# Altium PCB Core429IBaseBoardVerE.PcbDoc (part 1 of 2)
Units mil, origin at the board's own origin, x right, y up, seen from the top; angles counter-clockwise.
Board outline 5194.49 x 4255.91 mil, 4 copper layers (L1, L2, L3, L4), stack 64.4 mil thick; 137 components, 207 nets, 652 pads, 249 vias.
Unrouted connection lines stored in the file: 10.
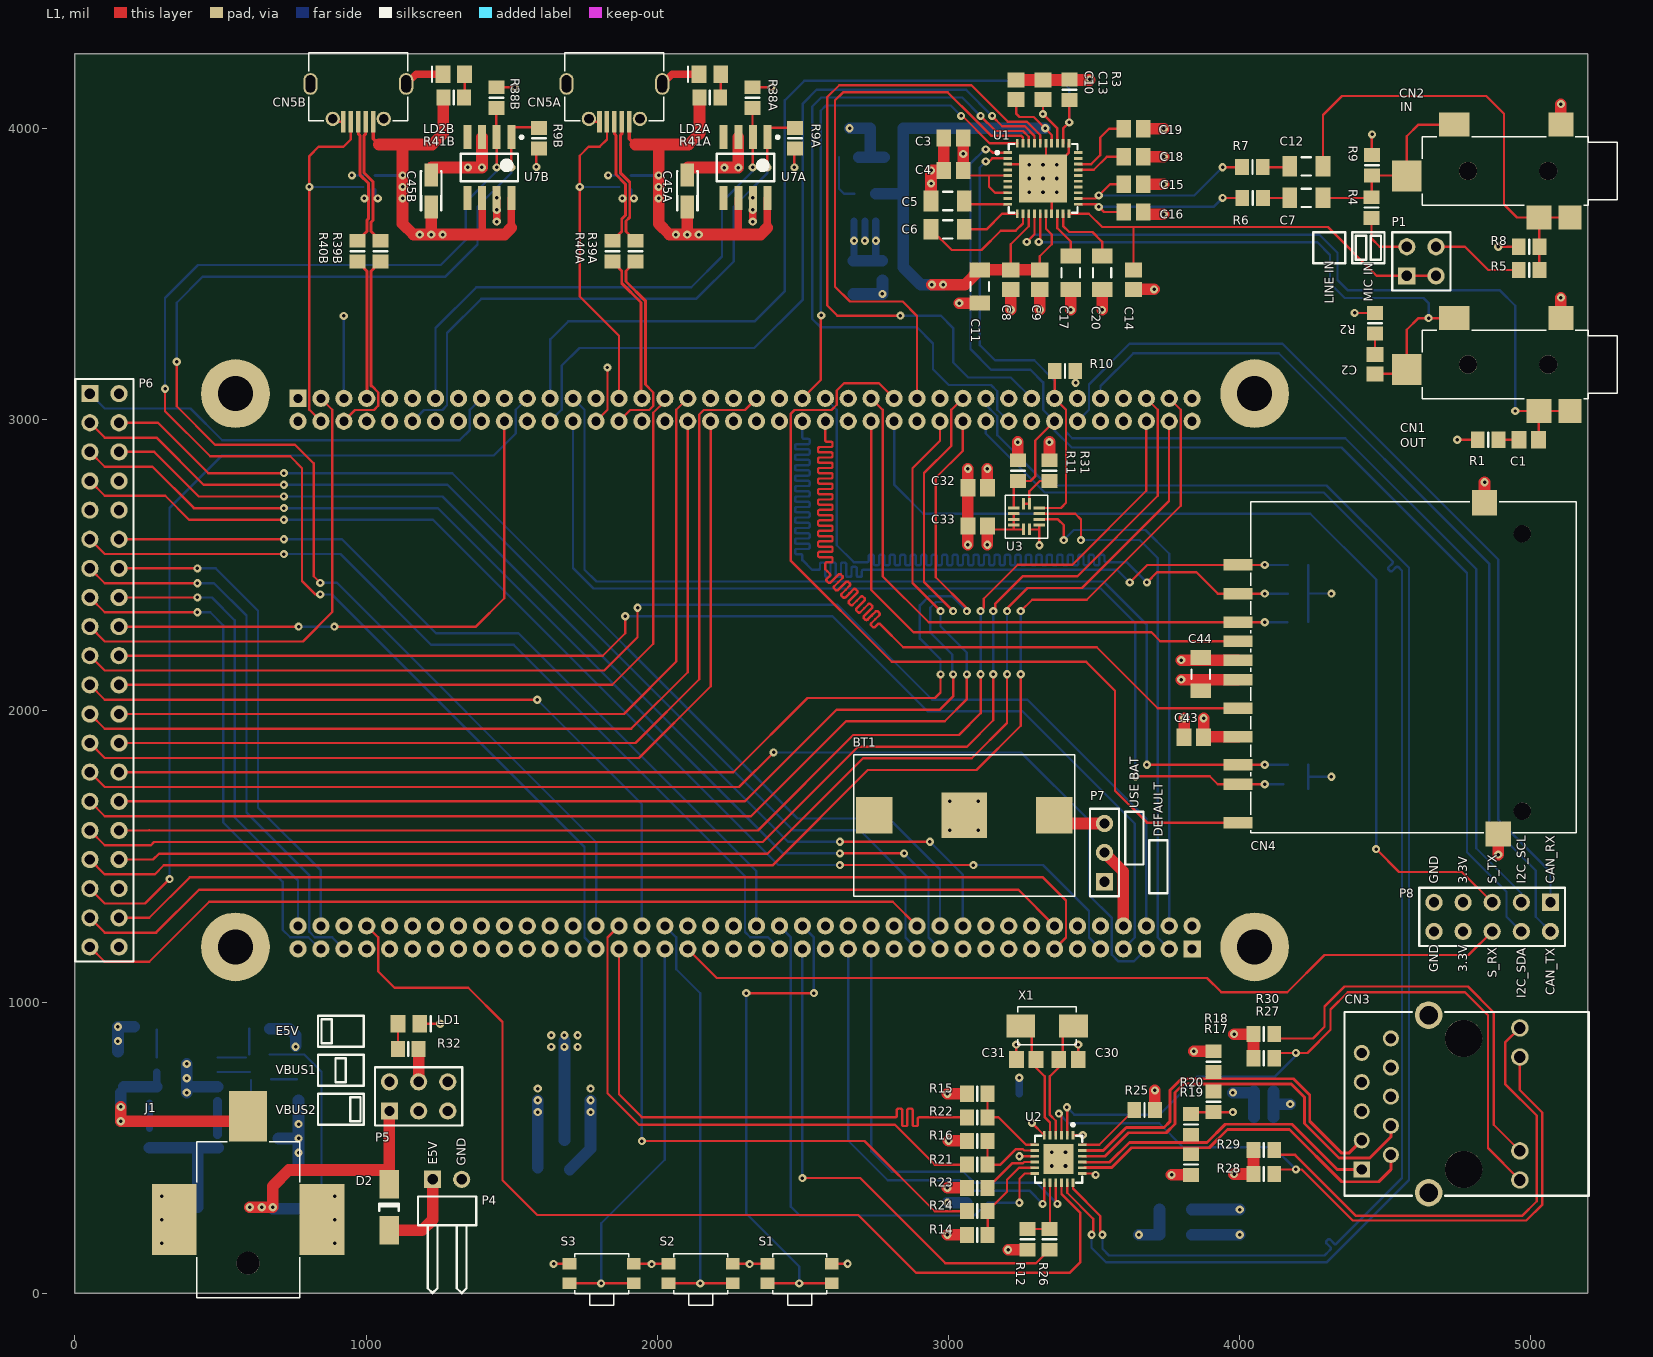
[diagram p0: L1 view]
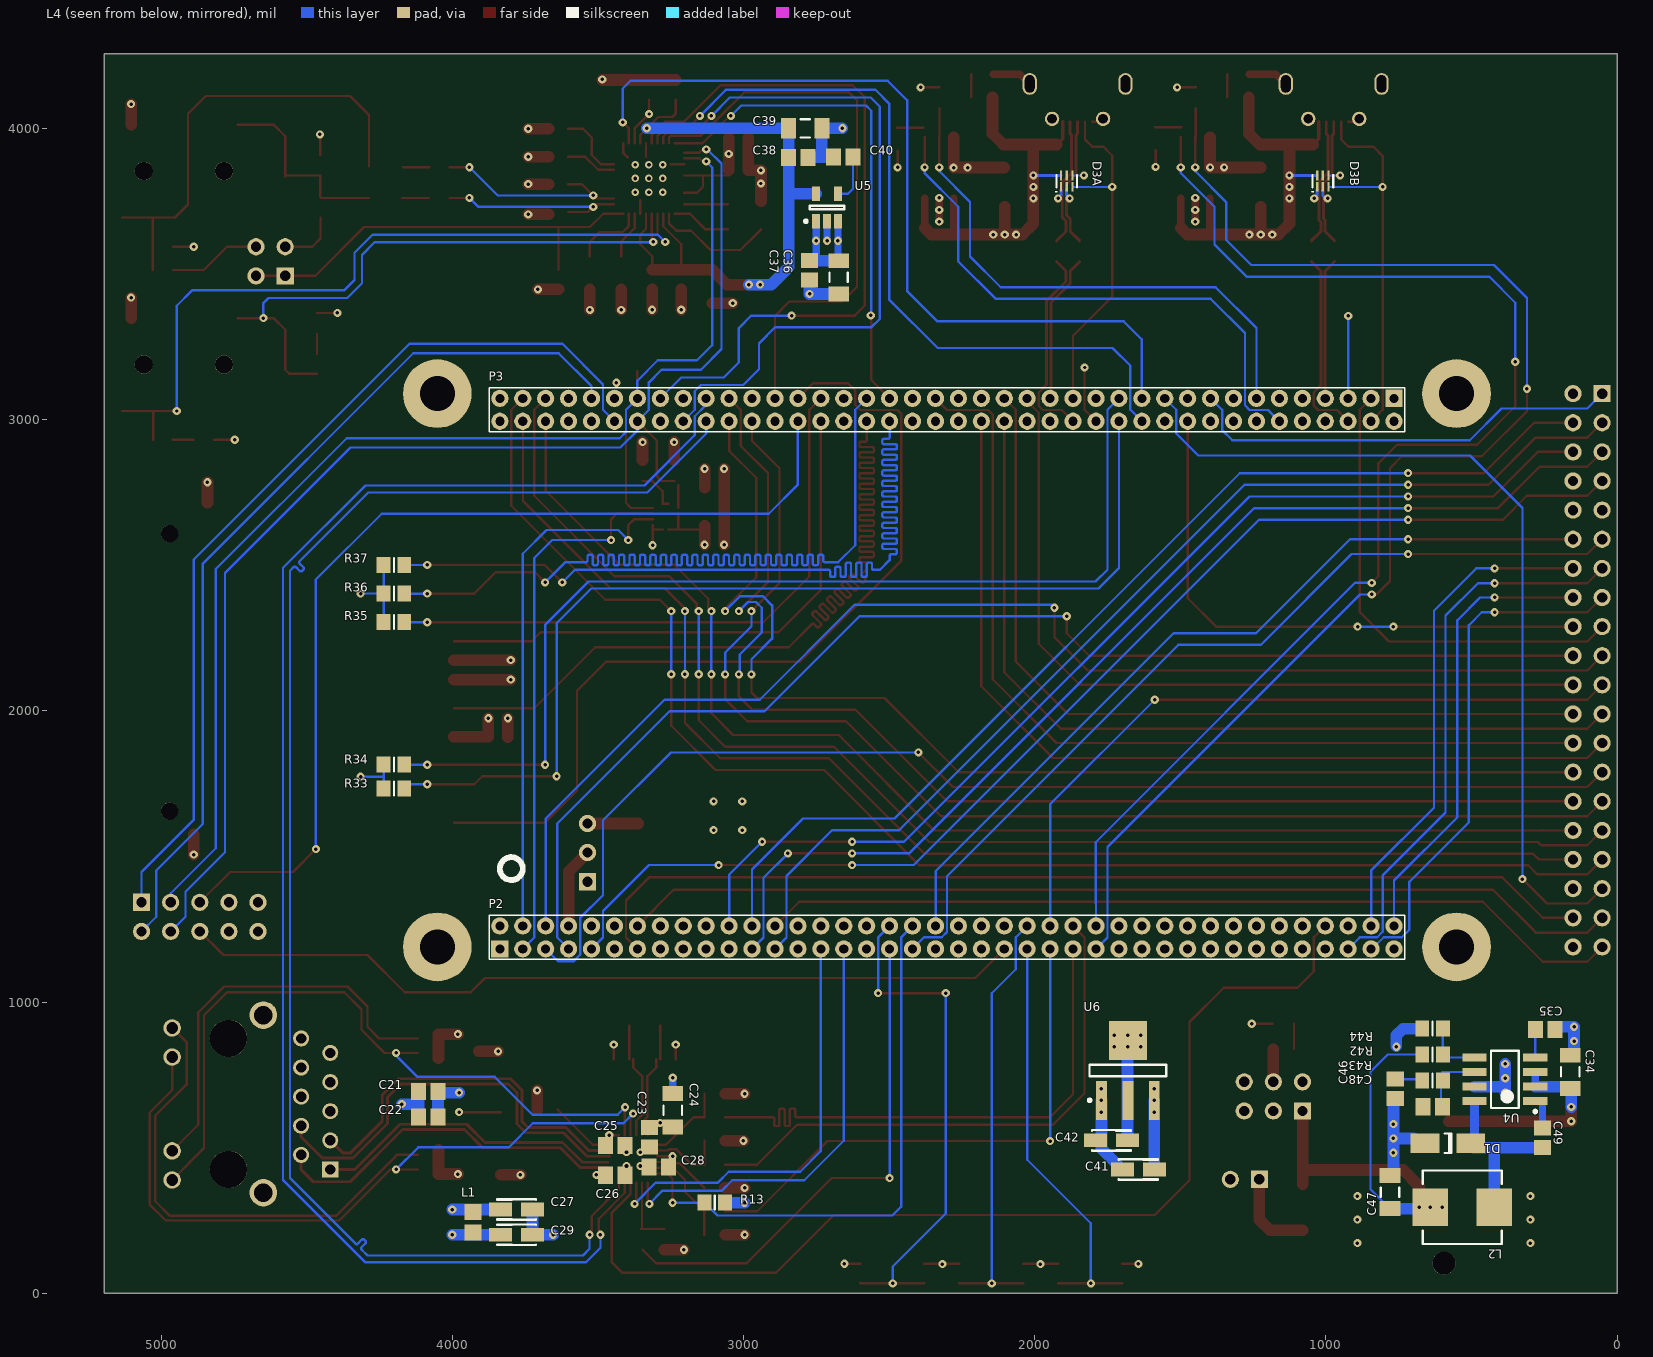
[diagram p1: L4 view, seen from below]
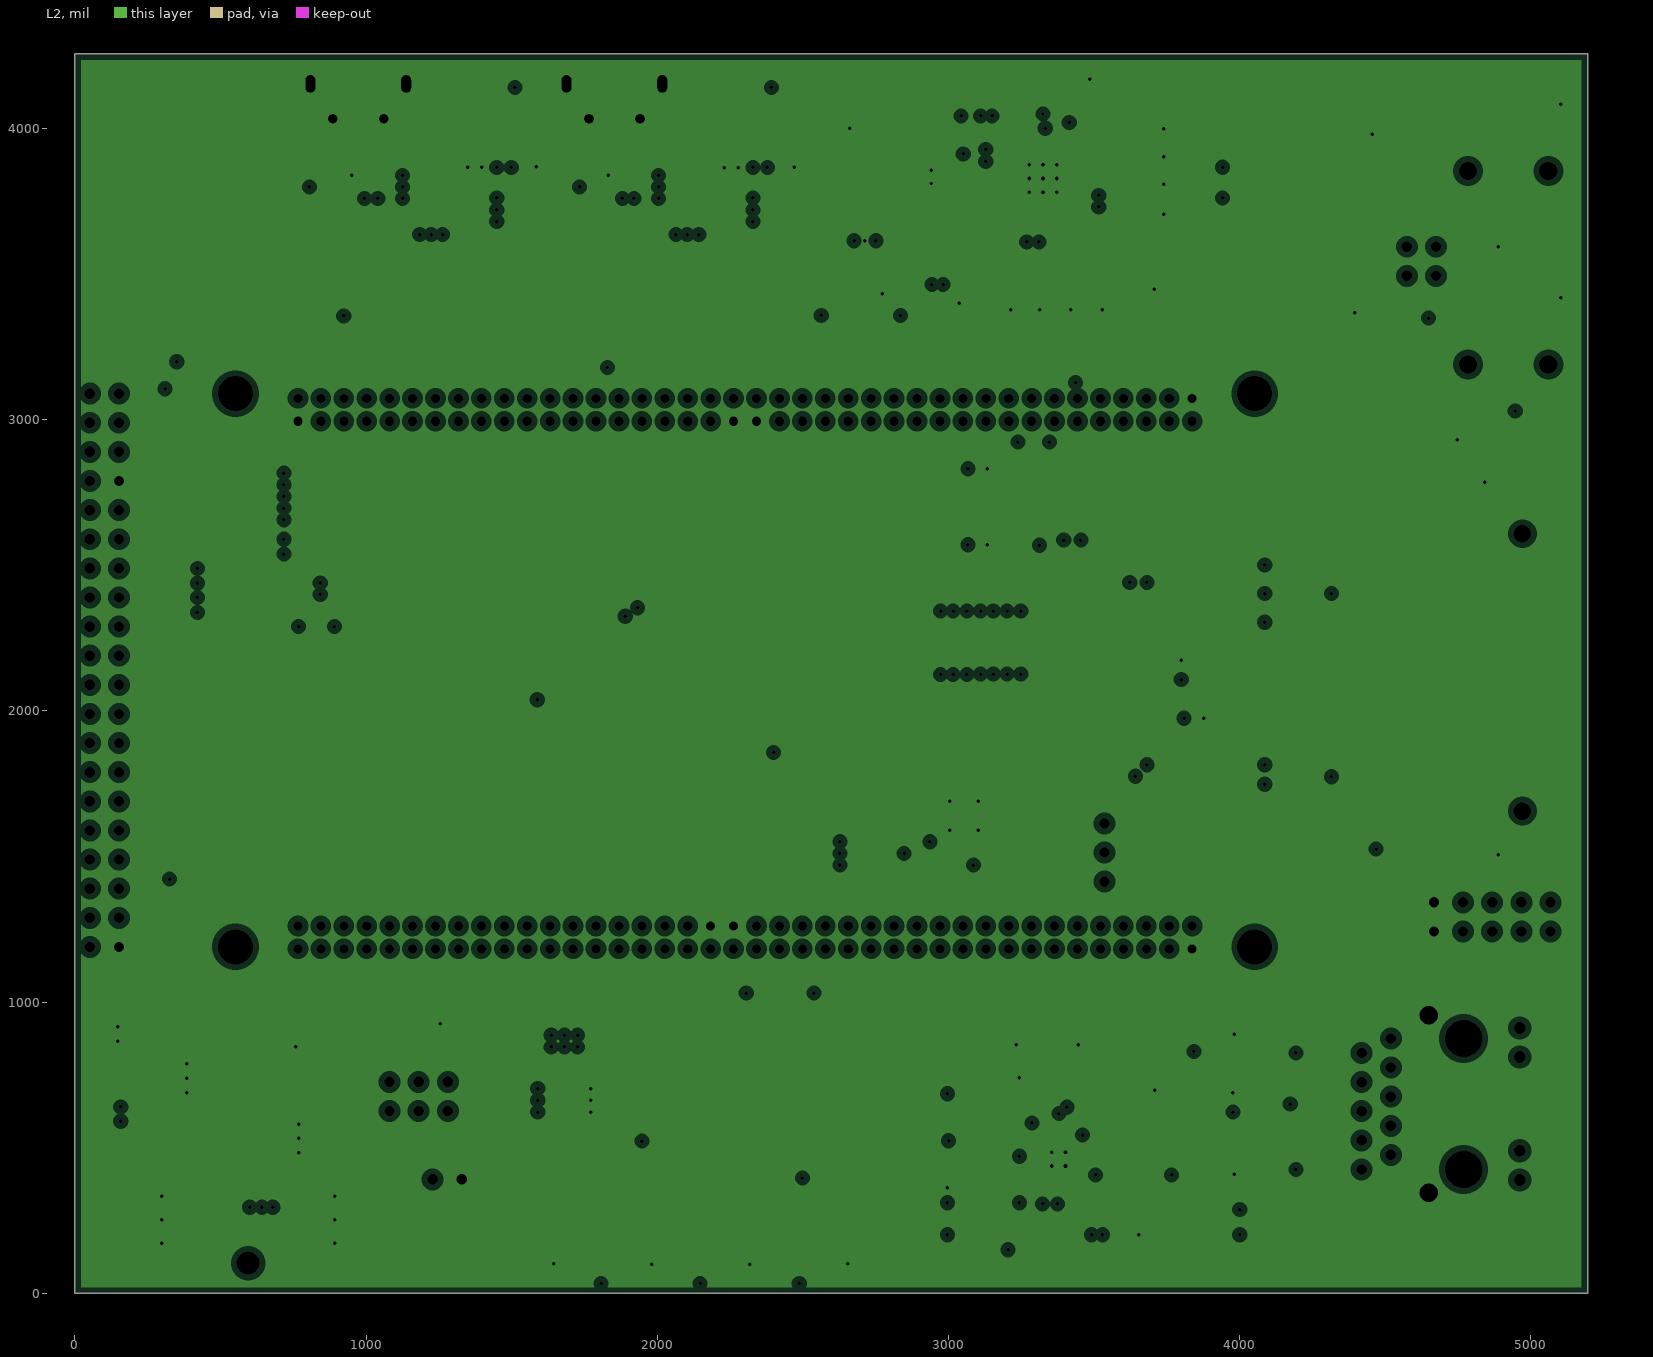
[diagram p2: L2, clearances drawn from the general rule]
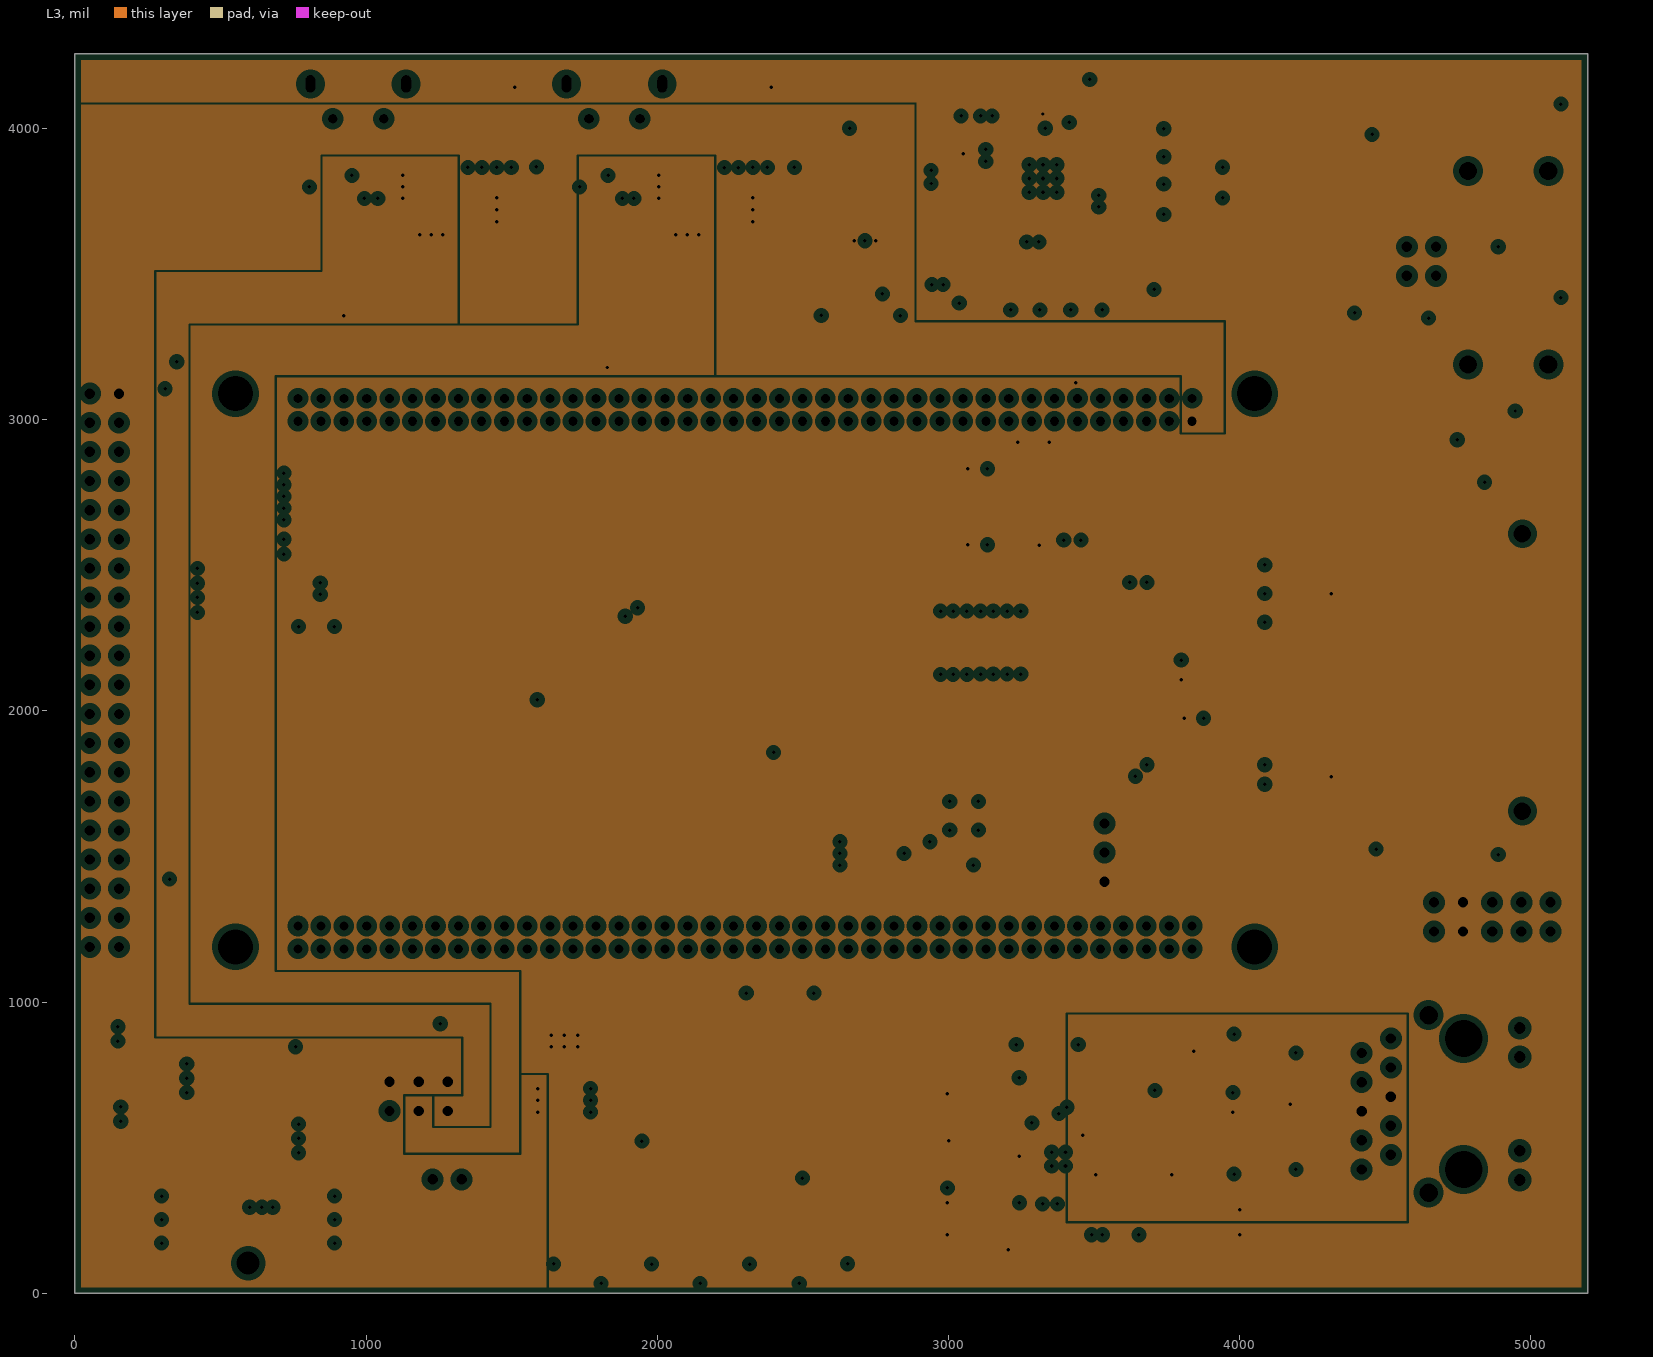
[diagram p3: L3, clearances drawn from the general rule]
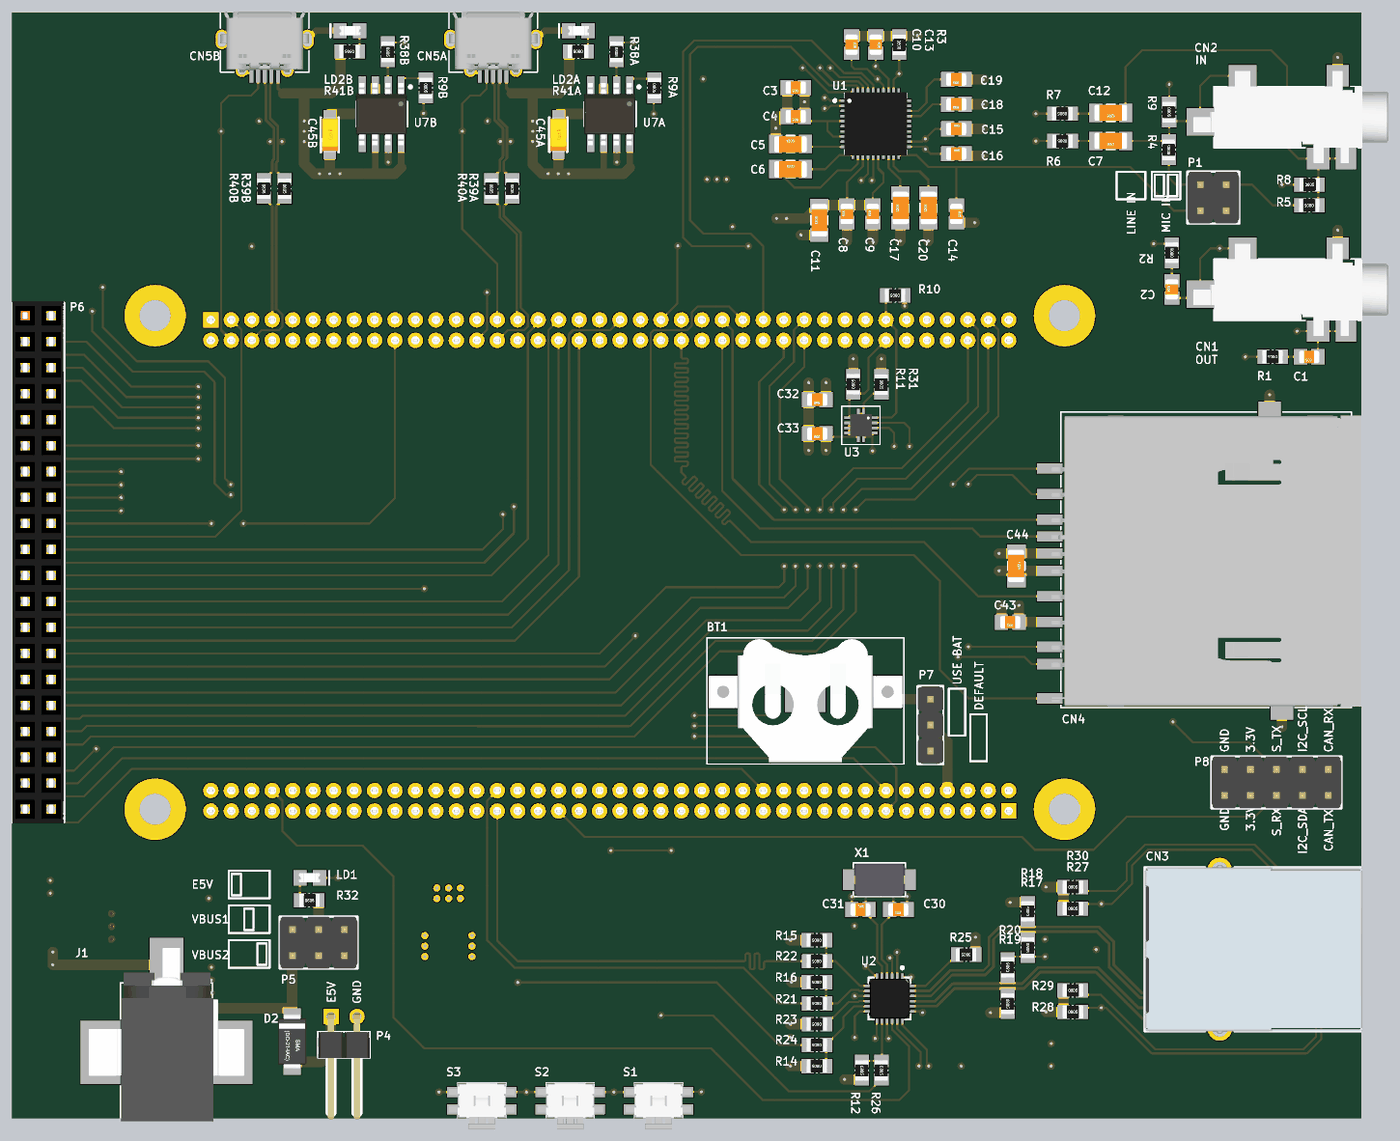
[diagram p5: 3D render of the assembled board from above, using the file's embedded part models]
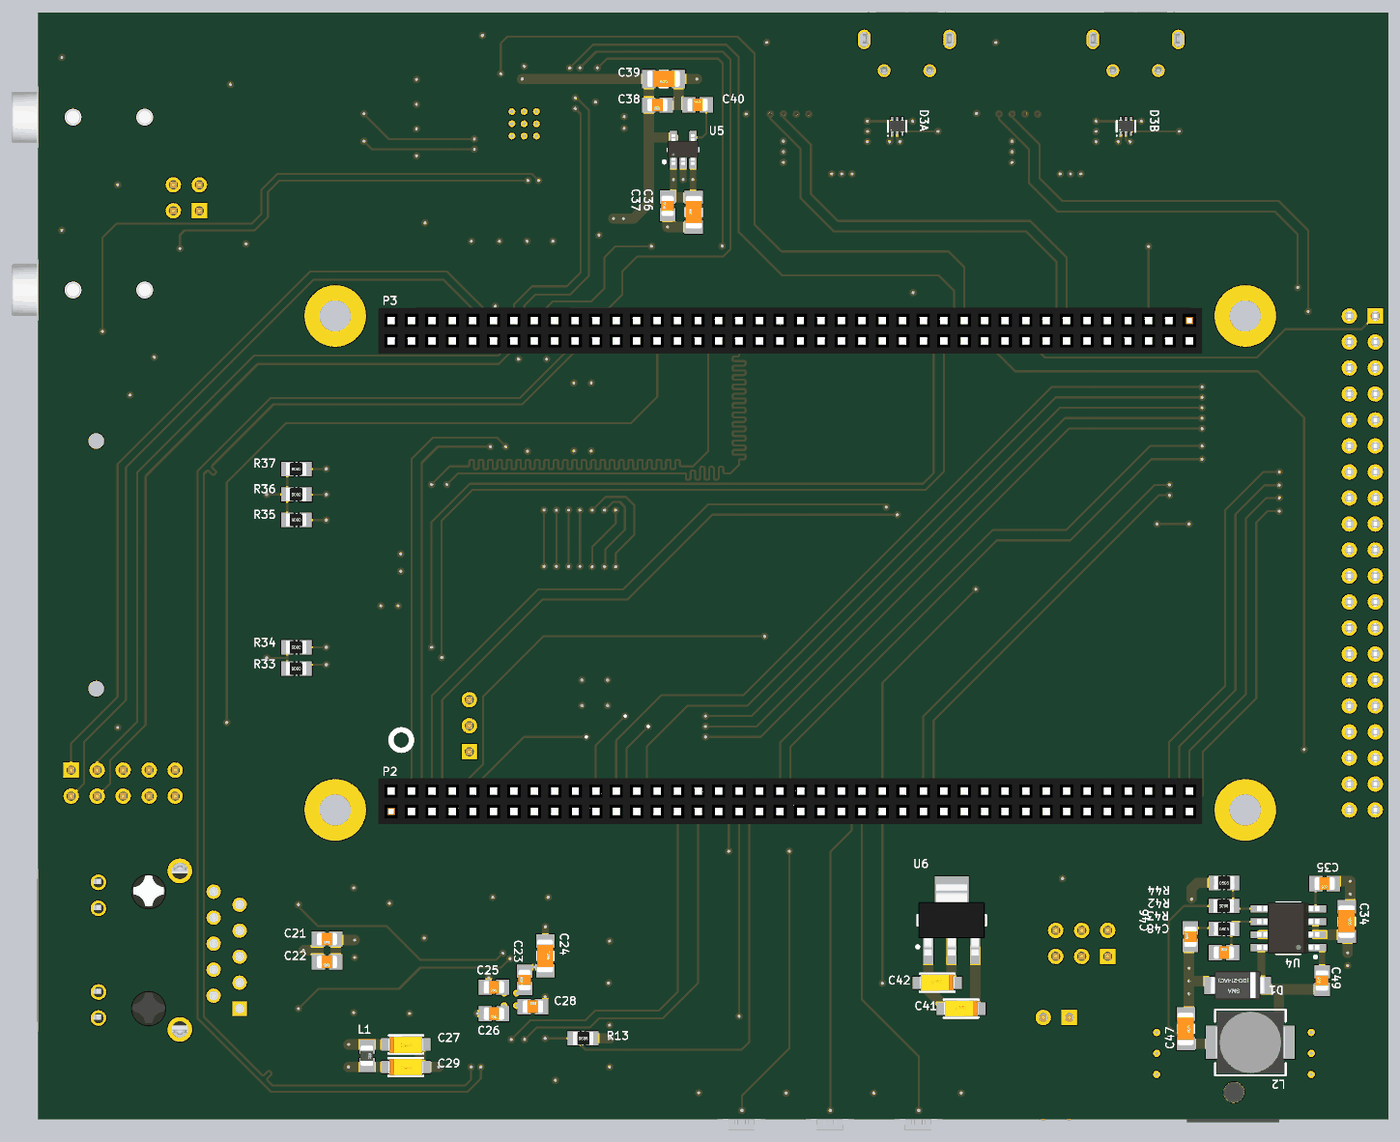
[diagram p6: 3D render of the assembled board from below, using the file's embedded part models]

## Layer stack, top to bottom
Top Solder: solder mask 0.5, Solder Resist, Dk 3.8
L1: signal copper 1.4
Dielectric1: prepreg 9.1, FR-4, Dk 4.6
L2: plane copper 0.7, net DGND
Dielectric2: core 42, FR-4, Dk 4.2
L3: plane copper 0.7, net (Multiple Nets)
Dielectric3: prepreg 9.1, FR-4, Dk 4.6
L4: signal copper 1.4
Bottom Solder: solder mask 0.5, Solder Resist, Dk 3.8

## Board outline
0,0 0,4255.91 5194.49,4255.91 5194.49,0

## Design rules (kind name [scope] priority, off if disabled: settings)
Clearance "Signal tracks" [IsTrack and not (InNetClass('DIFF_90') OR InNetClass('DIFF_100')) and (Width <= 8) vs IsTrack and (Width <= 8)] p1: gap=8
Clearance "Pad Clearance" [(IsPad) vs (IsPad)] p2: gap=3
Clearance [All] p3: gap=5
DiffPairsRouting DiffPair_DIFF100DiffPairsRouting [(InDifferentialPairClass('DIFF100'))] p1: maxlimit=10 minlimit=8 mostfreqgap=8 toplayer_minwidth=10 toplayer_maxwidth=15 toplayer_prefwidth=10 bottomlayer_minwidth=10 bottomlayer_maxwidth=15 bottomlayer_prefwidth=10 maxuncoupledlength=500
DiffPairsRouting DiffPair_DIFF90DiffPairsRouting [(InDifferentialPairClass('DIFF90'))] p2: maxlimit=10 minlimit=5 mostfreqgap=5 toplayer_minwidth=10 toplayer_maxwidth=15 toplayer_prefwidth=10 bottomlayer_minwidth=10 bottomlayer_maxwidth=15 bottomlayer_prefwidth=10 maxuncoupledlength=500
DiffPairsRouting [All] p3: maxlimit=10 minlimit=10 mostfreqgap=10 toplayer_minwidth=15 toplayer_maxwidth=15 toplayer_prefwidth=15 bottomlayer_minwidth=15 bottomlayer_maxwidth=15 bottomlayer_prefwidth=15 maxuncoupledlength=500
MatchedLengths "Schematic Matched Net Lengths" [InNetClass('SDIO')] p1: tolerance=100 checknetsindiffpair=FALSE checkdiffpairvsdiffpair=TRUE checkxsignals=TRUE checkothers=TRUE
MatchedLengths "Schematic Matched Net Lengths_8" [InNetClass('DIFF_90')] p2: tolerance=150 checknetsindiffpair=TRUE checkdiffpairvsdiffpair=FALSE checkxsignals=FALSE checkothers=FALSE
MatchedLengths "Schematic Matched Net Lengths_7" [InNetClass('LCD')] p3: tolerance=100 checknetsindiffpair=TRUE checkdiffpairvsdiffpair=FALSE checkxsignals=FALSE checkothers=FALSE
MatchedLengths "Schematic Matched Net Lengths_4" [InNetClass('DIFF_100')] p4: tolerance=100 checknetsindiffpair=TRUE checkdiffpairvsdiffpair=FALSE checkxsignals=FALSE checkothers=FALSE
MatchedLengths "Schematic Matched Net Lengths_3" [InNetClass('RMII')] p5: tolerance=100 checknetsindiffpair=FALSE checkdiffpairvsdiffpair=TRUE checkxsignals=TRUE checkothers=TRUE
PlaneClearance [All] p1: clearance=20
PlaneConnect "Plane to VIA" [IsVia] p1: planeconnectstyle=Direct reliefexpansion=20 reliefentries=4 reliefconductorwidth=10 reliefairgap=10
PlaneConnect "PWR(5V) to Component" [(InNet('5V') AND (InComponent('P2') OR InComponent('P3')))] p2: planeconnectstyle=Direct reliefexpansion=20 reliefentries=4 reliefconductorwidth=10 reliefairgap=10
PlaneConnect "Plane to PAD" [IsPad] p3: planeconnectstyle=Relief reliefexpansion=12 reliefentries=4 reliefconductorwidth=20 reliefairgap=8
PlaneConnect [All] p4: planeconnectstyle=Relief reliefexpansion=20 reliefentries=4 reliefconductorwidth=10 reliefairgap=10
PolygonConnect [All] p1: connectstyle=Relief reliefconductorwidth=10 reliefentries=4 polygonreliefangle="90 Angle" airgapwidth=10
RoutingVias [All] p1: holewidth=12 width=28 viastyle="Through Hole" minholewidth=12 minwidth=28 maxholewidth=12 maxwidth=28
SilkToSolderMaskClearance SilkscreenOverComponentPads [IsPad] p1: minsilkscreentomaskgap=10 clearancetoexposedcopper=TRUE
SolderMaskExpansion [All] p1: expansion=4
Width DiffPair_DIFF100Width [(InDifferentialPairClass('DIFF100'))] p1: maxlimit=15 minlimit=8 preferedwidth=10
Width DiffPair_DIFF90Width [(InDifferentialPairClass('DIFF90'))] p2: maxlimit=15 minlimit=8 preferedwidth=10
Width "Width Ground" [InNet('DGND')] p3: maxlimit=40 minlimit=8 preferedwidth=40
Width "Width Power" [(InNet('2.5V') OR InNet('3.3V') OR InNet('5V') OR InNet('E5V') OR InNet('5V_USB_FS') OR InNet('OTG_FS_VBUS1') OR InNet('OTG_FS_VBUS2') OR InNet('NetD1_1') OR InNet('NetD2_1') OR InNet('NetC34_1') OR InNet('NetC21_2') OR InNet('VBAT') OR InNet('NetBT1_1') OR InNet('NetC34_2') OR InNet('NetC49_1') OR InNet('NetC49_2'))] p4: maxlimit=40 minlimit=8 preferedwidth=40
Width [All] p5: maxlimit=8 minlimit=8 preferedwidth=8
26 further rules are at their usual default settings.

## Classes and differential pairs
net class SDIO: PC8 PC9 PC10 PC11 PC12
component class AUDIO: C1 C2 C3 C4 C5 C6 C7 C8 C9 C10 C11 C12 C13 C14 C15 C16 C17 C18 C19 C20 CN1 CN2 P1 R1 R2 R3 R4 R5 R6 R7 R8 R9 U1
component class Core429IBaseBoardVerE: BT1 P2 P3 P7 R10 R11
component class ETHERNET: C21 C22 C23 C24 C25 C26 C27 C28 C29 C30 C31 CN3 L1 R12 R13 R14 R15 R16 R17 R18 R19 R20 R21 R22 R23 R24 R25 R26 R27 R28 R29 R30 U2 X1
component class MISC_PERIPH: C32 C33 P8 R31 S1 S2 S3 U3
component class PWR: C34 C35 C36 C37 C38 C39 C40 C41 C42 C46 C47 C48 C49 D1 D2 J1 L2 LD1 P4 P5 R32 R42 R43 R44 U4 U5 U6
component class SD_SDIO: C43 C44 CN4 R33 R34 R35 R36 R37
component class TLCD-43: P6
component class USB_OTG_FS1: C45A CN5A D3A LD2A R9A R38A R39A R40A R41A U7A
component class USB_OTG_FS2: C45B CN5B D3B LD2B R9B R38B R39B R40B R41B U7B
net class DIFF_90: OTG_FS_N1 OTG_FS_N2 OTG_FS_P1 OTG_FS_P2 USB_FSA_N USB_FSA_P USB_FSB_N USB_FSB_P
net class DIFF_100: RD_N RD_P TD_N TD_P
net class LCD: LTDC_B0 LTDC_B1 LTDC_B2 LTDC_B3 LTDC_B4 LTDC_B5 LTDC_B6 LTDC_B7 LTDC_CLK LTDC_G0 LTDC_G1 LTDC_G2 LTDC_G3 LTDC_G4 LTDC_G5 LTDC_G6 LTDC_G7 LTDC_HSYNC LTDC_R0 LTDC_R1 LTDC_R2 LTDC_R3 LTDC_R4 LTDC_R5 LTDC_R6 LTDC_R7 LTDC_VSYNC
net class LTDC_B[0..7]: LTDC_B0 LTDC_B1 LTDC_B2 LTDC_B3 LTDC_B4 LTDC_B5 LTDC_B6 LTDC_B7
net class LTDC_G[0..7]: LTDC_G0 LTDC_G1 LTDC_G2 LTDC_G3 LTDC_G4 LTDC_G5 LTDC_G6 LTDC_G7
net class LTDC_R[0..7]: LTDC_R0 LTDC_R1 LTDC_R2 LTDC_R3 LTDC_R4 LTDC_R5 LTDC_R6 LTDC_R7
net class OTG_FS_ID[1..2]: OTG_FS_ID1 OTG_FS_ID2
net class OTG_FS_N[1..2]: OTG_FS_N1 OTG_FS_N2
net class OTG_FS_OC[1..2]: OTG_FS_OC1 OTG_FS_OC2
net class OTG_FS_P[1..2]: OTG_FS_P1 OTG_FS_P2
net class OTG_FS_VBUS[1..2]: OTG_FS_VBUS1 OTG_FS_VBUS2
net class OTG_FS_VBUSEN[1..2]: OTG_FS_VBUSEN1 OTG_FS_VBUSEN2
net class RMII: PA1 PA2 PA7 PB11 PC1 PC4 PC5 PG13 PG14
channel class Usb_otg_fs: USB_OTG_FS1 USB_OTG_FS2
differential pair class DIFF90: OTG_FS1 OTG_FS2 USB_FSA USB_FSB
differential pair class DIFF100: RD TD
differential pair OTG_FS1: +OTG_FS_P1 -OTG_FS_N1
differential pair OTG_FS2: +OTG_FS_P2 -OTG_FS_N2
differential pair RD: +RD_P -RD_N
differential pair TD: +TD_P -TD_N
differential pair USB_FSA: +USB_FSA_P -USB_FSA_N
differential pair USB_FSB: +USB_FSB_P -USB_FSB_N

## Components (designator, comment, footprint, x,y, rotation, side; value= is the part's Value field where it differs from the comment)
BT1 "Battery" PN3000 2744.09,1641.73 r0 top
C1 "Cap" CAPC2012N 4992.91,2930.94 r180 top
C2 "Cap" CAPC2012N 4464.72,3190.94 r90 top
C3 "Cap" CAPC2012N 3016.93,3967.4 r180 top
C4 "Cap" CAPC2012N 3016.93,3856.12 r180 top
C5 "Cap" CAPC3216N 2996.93,3750.75 r0 top
C6 "Cap" CAPC3216N 2996.93,3653.54 r0 top
C7 "Cap" CAPC3216N 4228.9,3761.5 r180 top
C8 "Cap" CAPC2012N 3213.82,3481.02 r90 top
C9 "Cap" CAPC2012N 3313.5,3481.02 r90 top
C10 "Cap" CAPC2012N 3232.09,4132.91 r270 top
C11 "Cap" CAPC3216N 3107.16,3457.32 r90 top
C12 "Cap" CAPC3216N 4228.9,3869.77 r180 top
C13 "Cap" CAPC2012N 3324.33,4132.91 r270 top
C14 "Cap" CAPC2012N 3635.35,3481.02 r270 top
C15 "Cap" CAPC2012N 3635.04,3808.74 r0 top
C16 "Cap" CAPC2012N 3635.04,3712.99 r0 top
C17 "Cap" CAPC3216N 3419.61,3504.33 r90 top
C18 "Cap" CAPC2012N 3635.04,3903.07 r180 top
C19 "Cap" CAPC2012N 3635.04,3998.82 r180 top
C20 "Cap" CAPC3216N 3527.48,3504.33 r90 top
C21 "Cap" CAPC2012N 4082.68,692.91 r0 bottom
C22 "Cap" CAPC2012N 4082.68,604.92 r0 bottom
C23 "Cap" CAPC2012N 3322.83,535.43 r90 bottom
C24 "Cap" CAPC3216N 3242.83,628.23 r270 bottom
C25 "Cap" CAPC2012N 3440.94,507.87 r0 bottom
C26 "Cap" CAPC2012N 3440.94,405.51 r0 bottom
C27 "Cap Pol" TC3216-1206 3779.53,287.4 r180 bottom
C28 "Cap" CAPC2012N 3291.34,433.07 r180 bottom
C29 "Cap Pol" TC3216-1206 3779.53,200.79 r180 bottom
C30 "Cap" CAPC2012N 3411.97,803.03 r180 top
C31 "Cap" CAPC2012N 3266.3,803.03 r0 top
C32 "Cap" CAPC2012N 3100,2766.46 r180 top
C33 "Cap" CAPC2012N 3100,2635.28 r180 top
C34 "Cap" CAPC3216N 160.7,760.13 r270 bottom
C35 "Cap" CAPC2012N 246.06,905.96 r0 bottom
C36 "Cap" CAPC3216N 2673.07,3488.66 r90 bottom
C37 "Cap" CAPC2012N 2773.07,3512.6 r90 bottom
C38 "Cap" CAPC2012N 2657.48,3901.57 r180 bottom
C39 "Cap" CAPC3216N 2787.87,4000.63 r0 bottom
C40 "Cap" CAPC2012N 2811.81,3900.63 r0 bottom
C41 "Cap Pol" TC3216-1206 1643.94,425.04 r0 bottom
C42 "Cap Pol" TC3216-1206 1736.06,525.04 r0 bottom
C43 "Cap" CAPC2012N 3842.52,1909.45 r180 top
C44 "Cap" CAPC3216N 3866.14,2125.98 r270 top
C45A "Cap Pol" TC3216-1206 2102.88,3785.73 r90 top (schematic designator C45)
C45B "Cap Pol" TC3216-1206 1223.36,3785.73 r90 top (schematic designator C45)
C46 "Cap" CAPC2012N 761.98,701.94 r90 bottom
C47 "Cap" CAPC3216N 779.7,347.61 r270 bottom
C48 "Cap" CAPC2012N 633.47,640.58 r180 bottom
C49 "Cap" CAPC2012N 255.91,533.39 r90 bottom
CN1 "OUT" 35RASMT4BHNTRX 4853.78,3189.21 r180 top locked
CN2 "IN" 35RASMT4BHNTRX 4853.78,3853.86 r180 top locked
CN3 "7499110122" 7499110122 4778.78,650.12 r90 top locked
CN4 "10067847-001RLF" 10067847 4492.14,2145.74 r90 top locked
CN5A "USB Micro AB Connector" ZX62RD-AB-5P8 1852.5,4092.98 r180 top locked (schematic designator CN5)
CN5B "USB Micro AB Connector" ZX62RD-AB-5P8 972.98,4092.98 r180 top locked (schematic designator CN5)
D1 "SBR3A40SAF" CD-DO214AC 659.45,514.93 r180 bottom
D2 "SBR3A40SAF" CD-DO214AC 1078.74,216.54 r90 top
D3A "TPD4S012" SON50P100X60-6M 1889.76,3818.9 r90 bottom (schematic designator D3)
D3B "TPD4S012" SON50P100X60-6M 1010.24,3818.9 r90 bottom (schematic designator D3)
J1 "CH-061D25" CH-061D25 594.65,355.43 r90 top locked
L1 "Inductor" INDC2012N 3929.13,244.09 r270 bottom
L2 "Inductor" INDP6560X45M 531.5,295.28 r0 bottom
LD1 "LED, green" CLED2012-0805 1146.65,925.51 r0 top
LD2A "LED, green" CLED2012-0805 2180.22,4186.52 r180 top (schematic designator LD2)
LD2B "LED, green" CLED2012-0805 1300.69,4186.52 r180 top (schematic designator LD2)
P1 "Header 2X2" HDR2X2 4573.78,3493.86 r0 top locked
P2 "Header 40X2" SHDR2X40 3836.61,1182.68 r180 bottom locked
P3 "Header 40X2" SHDR2X40 765.75,3073.23 r0 bottom locked
P4 "Header 2" HDR1X2H 1228.18,391.17 r0 top locked
P5 "Header 3X2" HDR2X3 1080.3,626.15 r0 top
P6 "Header 20X2" HDR2X20 51.18,3089.37 r270 top locked
P7 "Header 3" HDR1X3 3535.43,1413.39 r90 top
P8 "Header 5X2" HDR2X5 5066.93,1342.52 r180 top locked
R1 "1206" RESC2012N 4852.91,2930.94 r180 top
R2 "1206" RESC2012N 4464.72,3330.94 r90 top
R3 "1206" RESC2012N 3414.61,4132.91 r270 top
R4 "1206" RESC2012N 4452.76,3728.35 r270 top
R5 "1206" RESC2012N 4993.78,3513.86 r180 top
R6 "1206" RESC2012N 4044.18,3761.5 r180 top
R7 "1206" RESC2012N 4043.63,3867.01 r180 top
R8 "1206" RESC2012N 4993.78,3593.86 r0 top
R9 "1206" RESC2012N 4453.78,3873.86 r270 top
R9A "Res" RESC2012N 2472.54,3966.54 r270 top (schematic designator R9)
R9B "Res" RESC2012N 1593.01,3966.54 r270 top (schematic designator R9)
R10 "Res" RESC2012N 3400,3167.4 r180 top
R11 "Res" RESC2012N 3238.19,2824.8 r90 top
R12 "1206" RESC2012N 3271.65,185.04 r270 top